# Altium PCB ECSE478 - DAQ Device.PcbDoc (part 1 of 4)
Units mil, origin at the board's own origin, x right, y up, seen from the top; angles counter-clockwise.
Board outline 8325 x 4500 mil, 4 copper layers (L1 (Sig), L2 (GND), L3 (GND), L4 (Sig)), stack 23.756 mil thick; 560 components, 359 nets, 1613 pads, 965 vias.
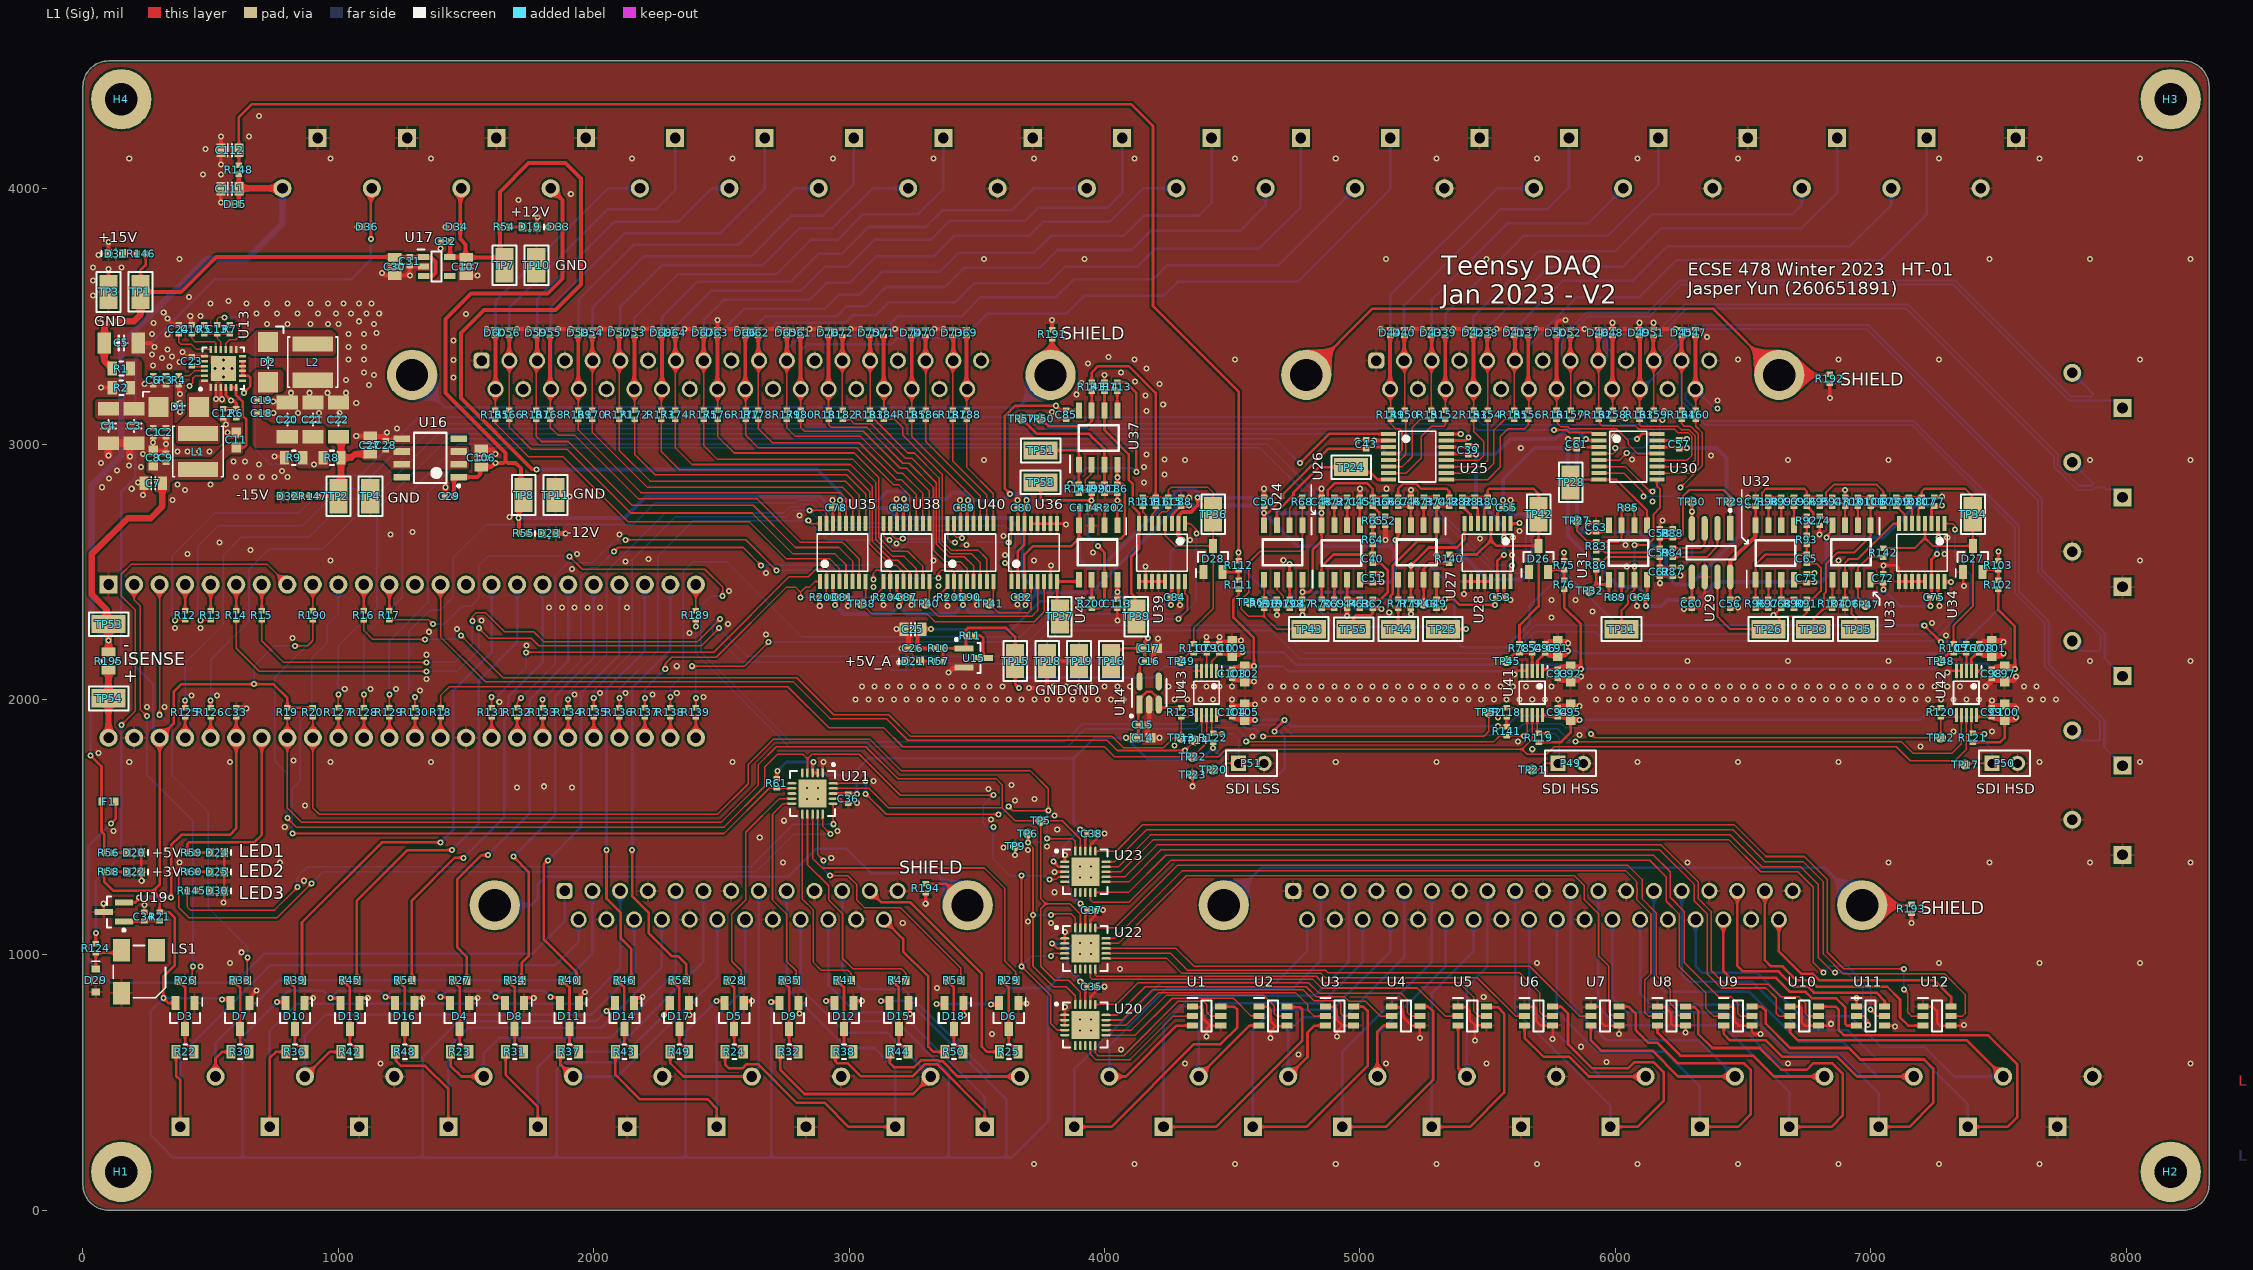
[diagram p0: L1 (Sig) view]
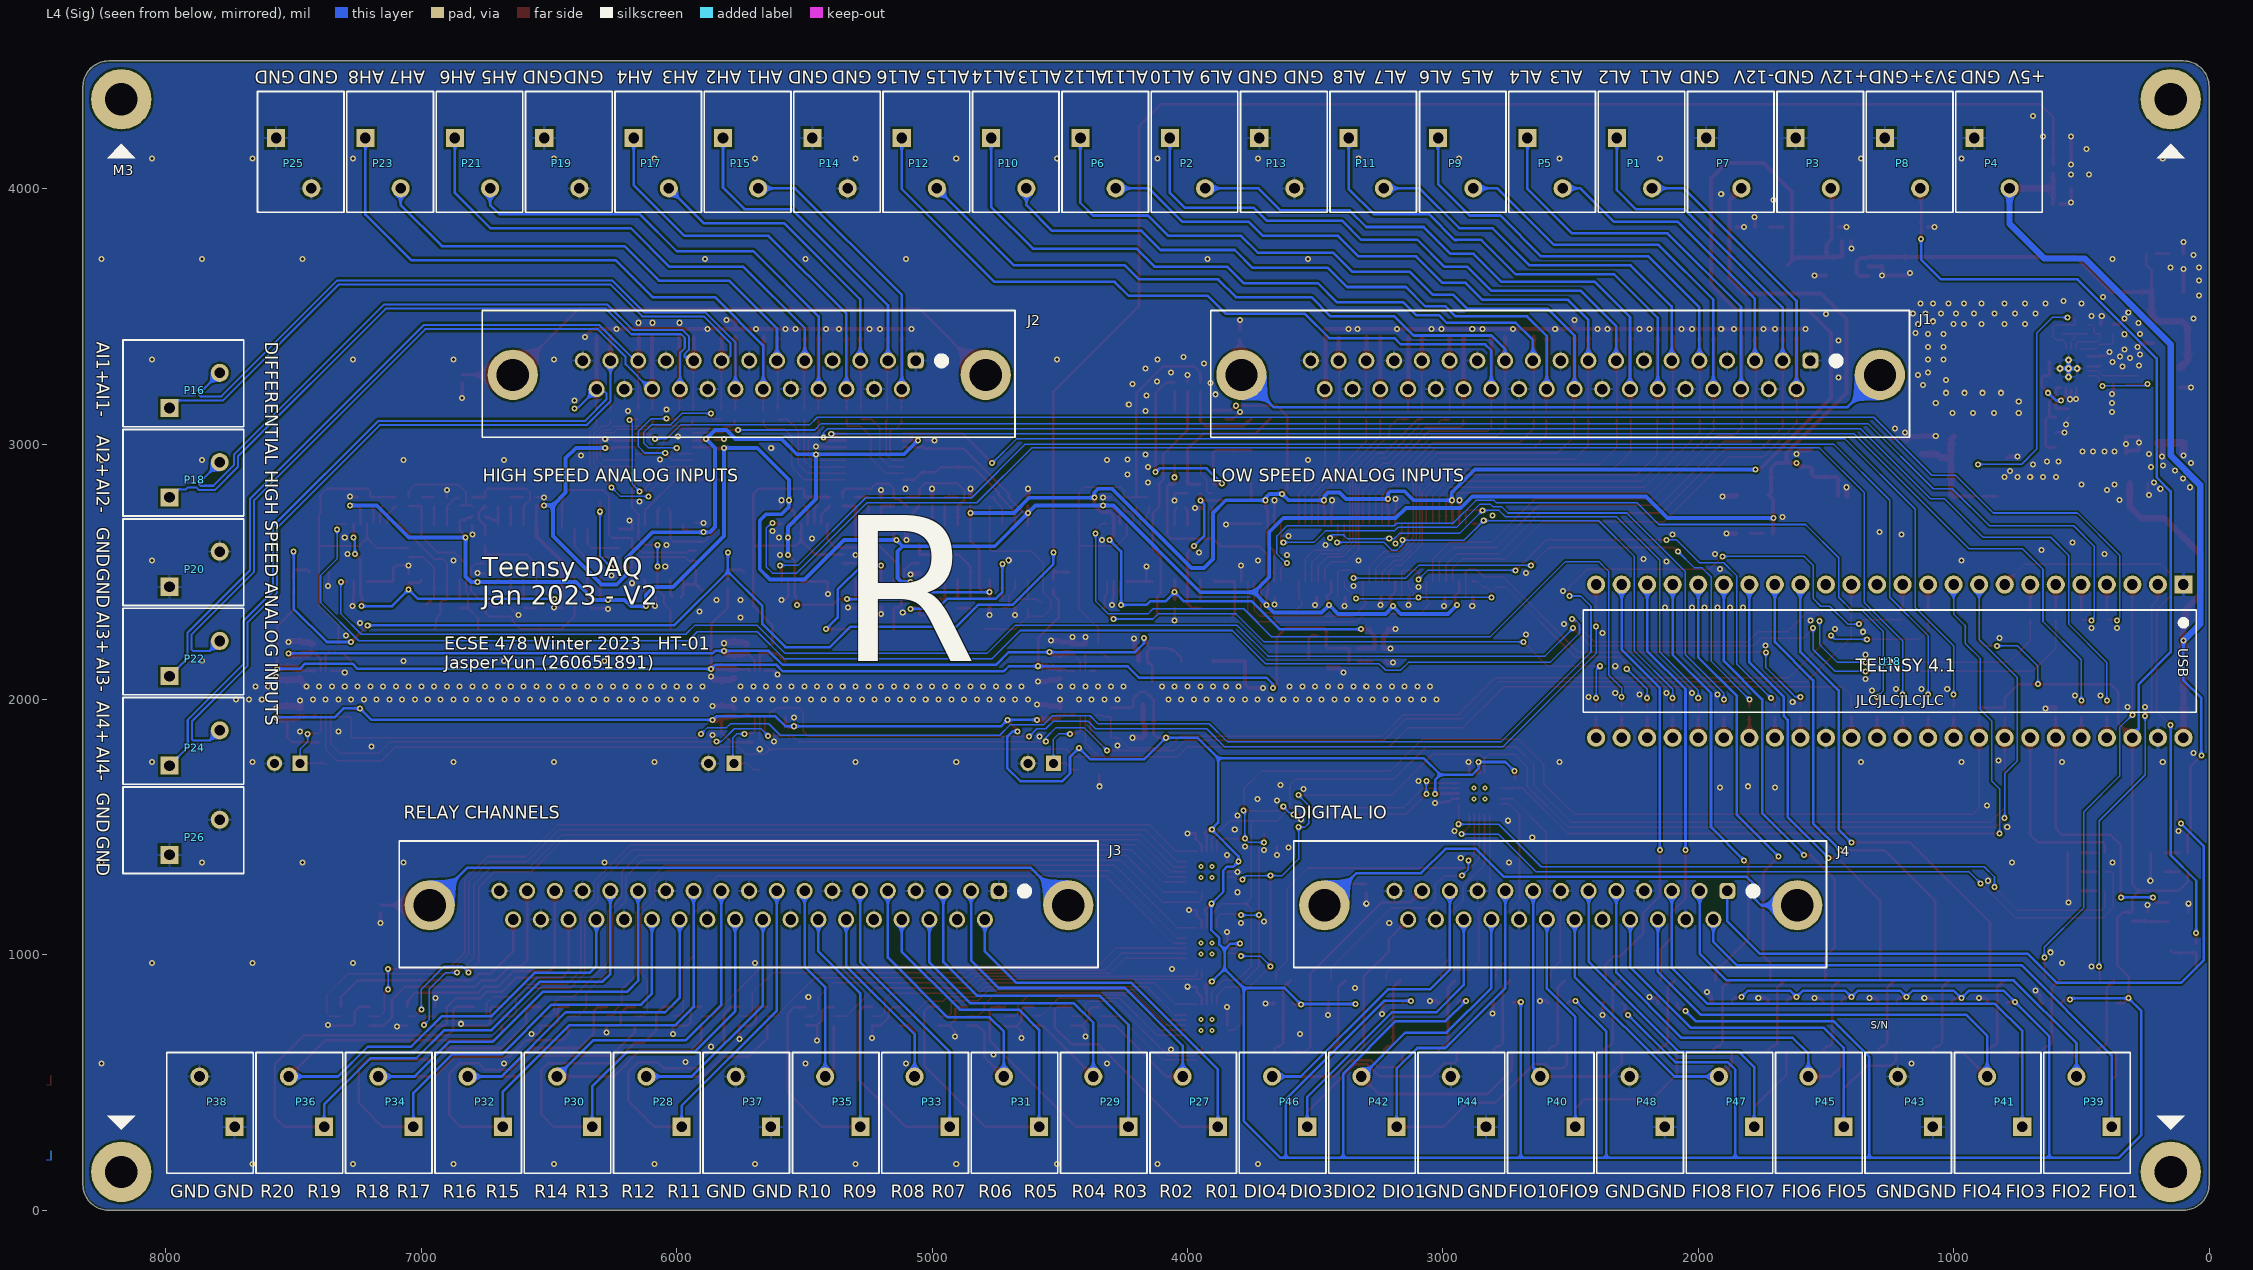
[diagram p1: L4 (Sig) view, seen from below]
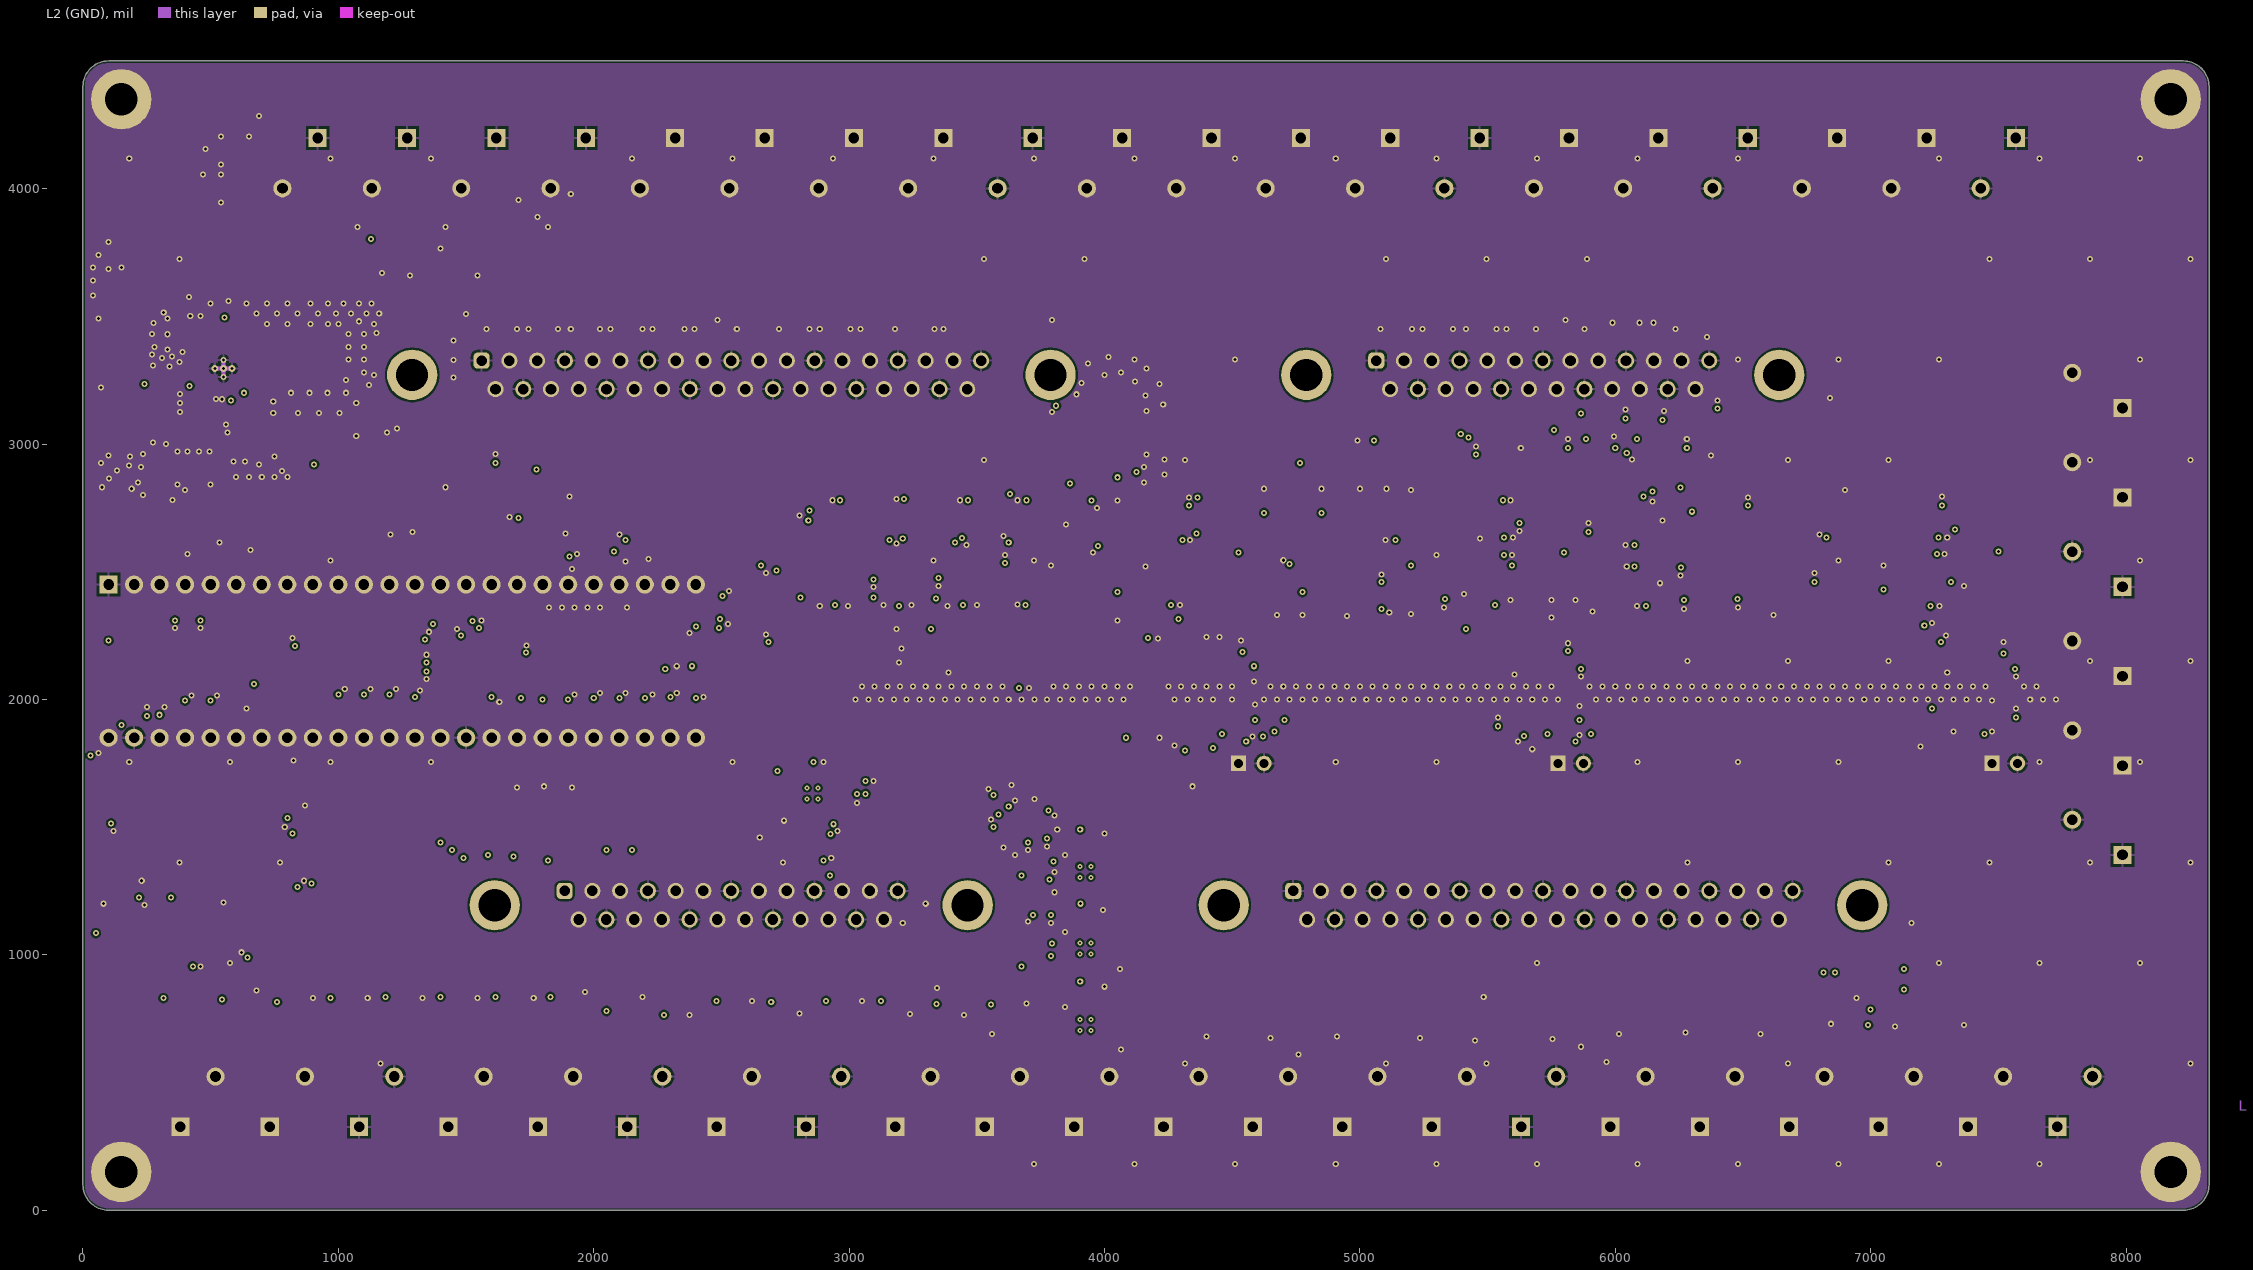
[diagram p2: L2 (GND)]
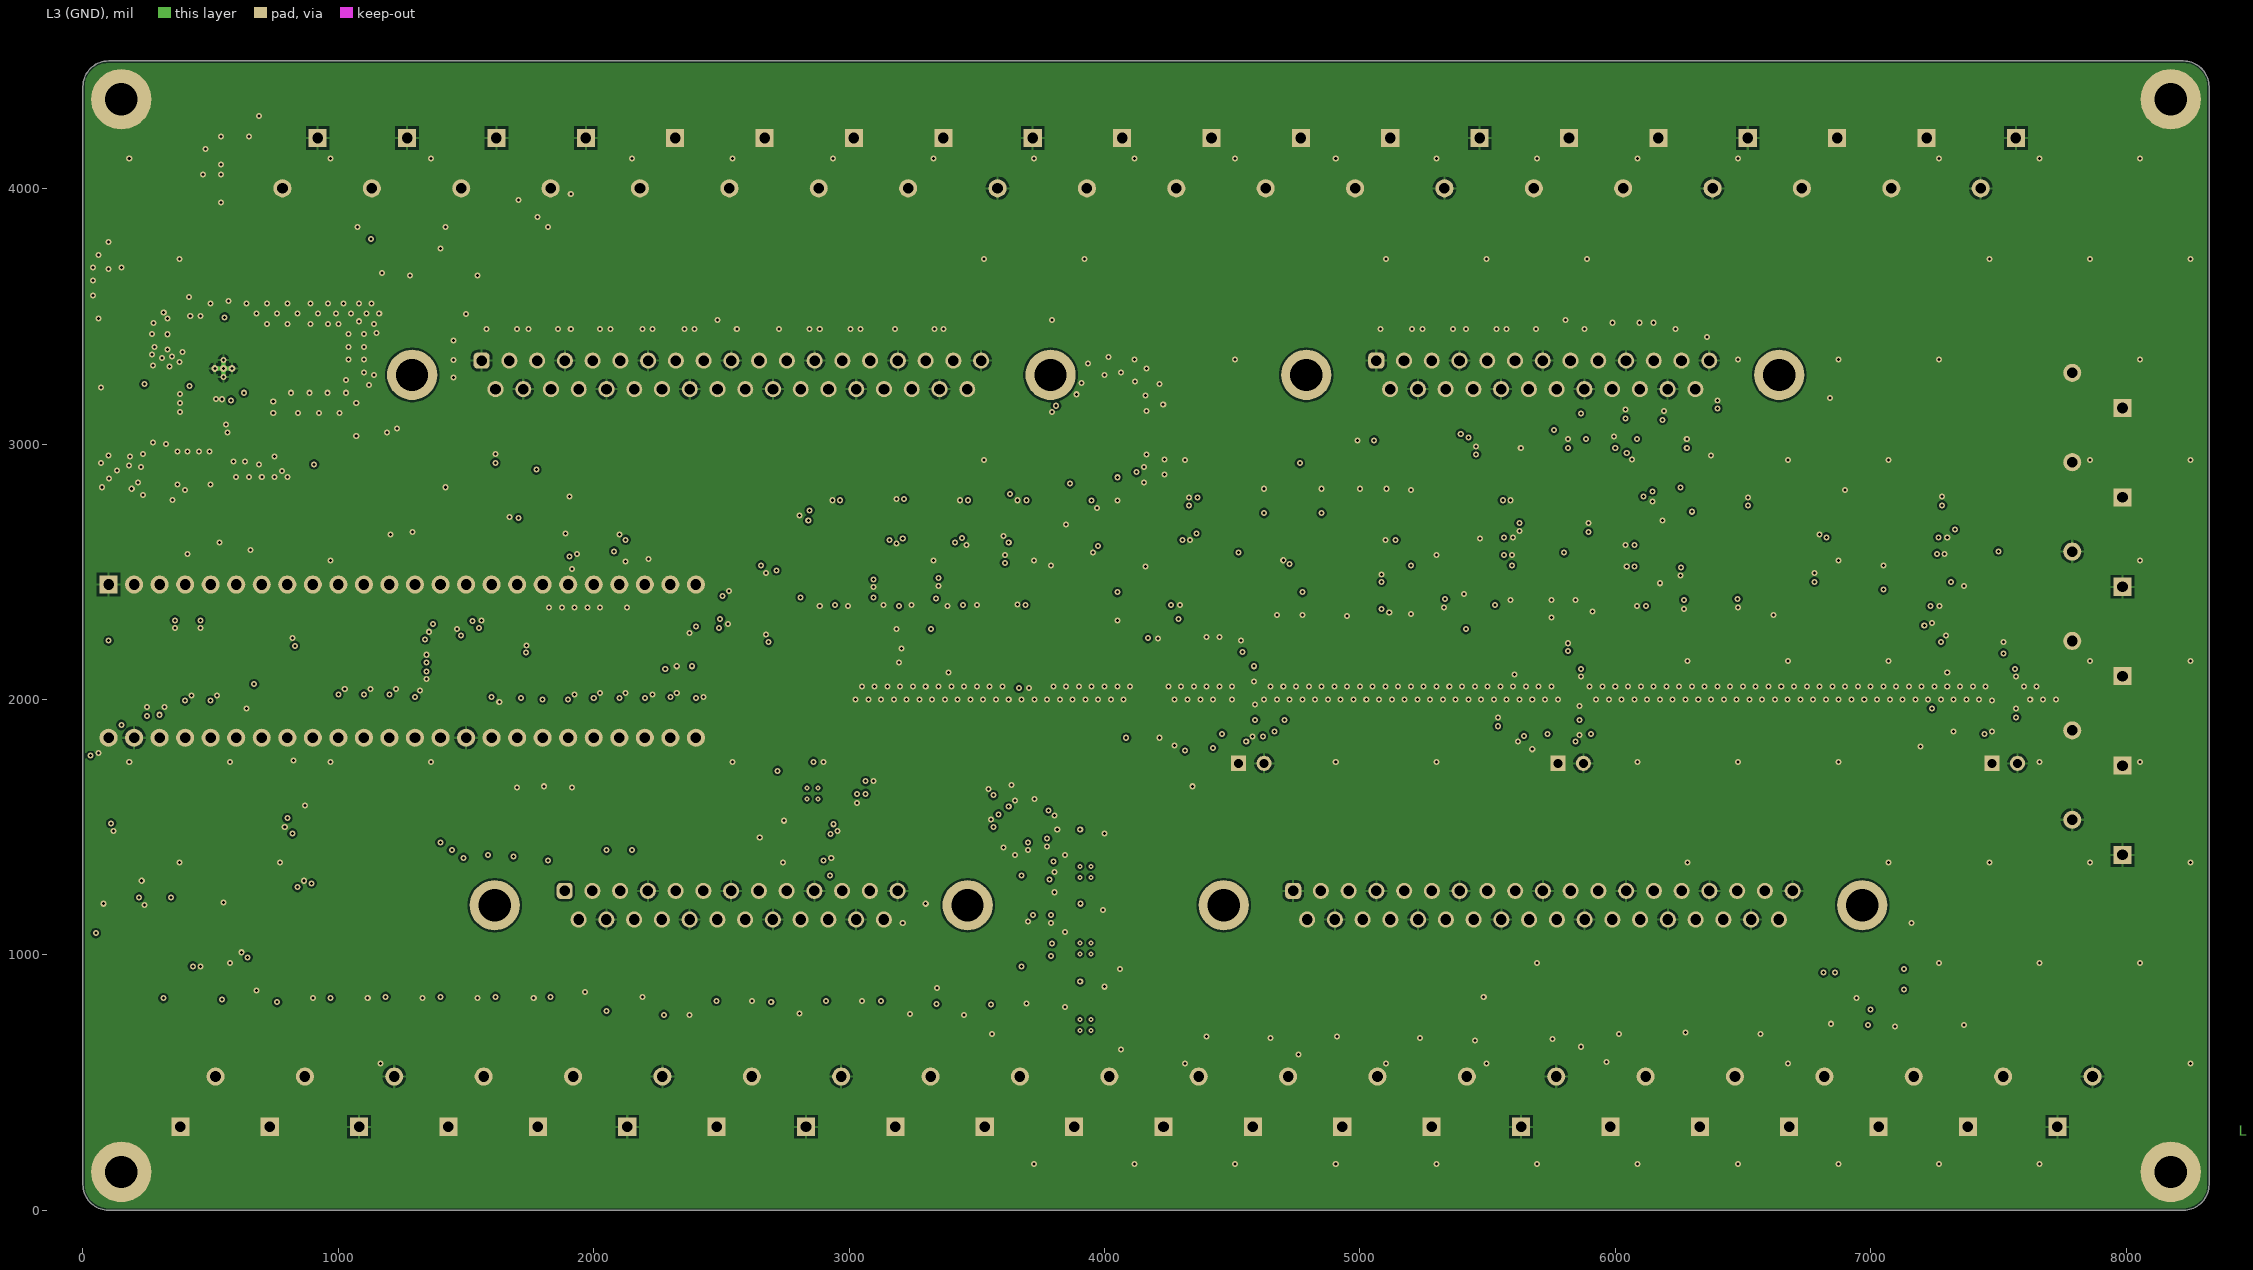
[diagram p3: L3 (GND)]
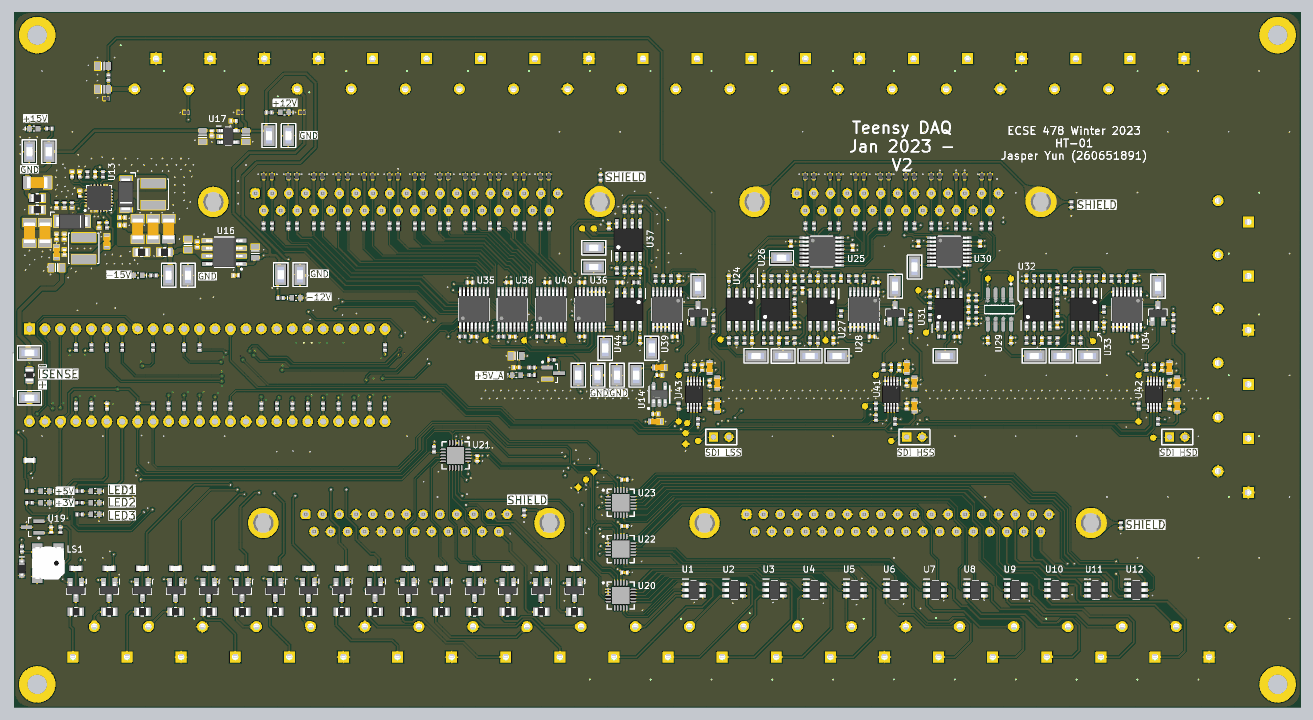
[diagram p7: 3D render of the assembled board from above, using the file's embedded part models]
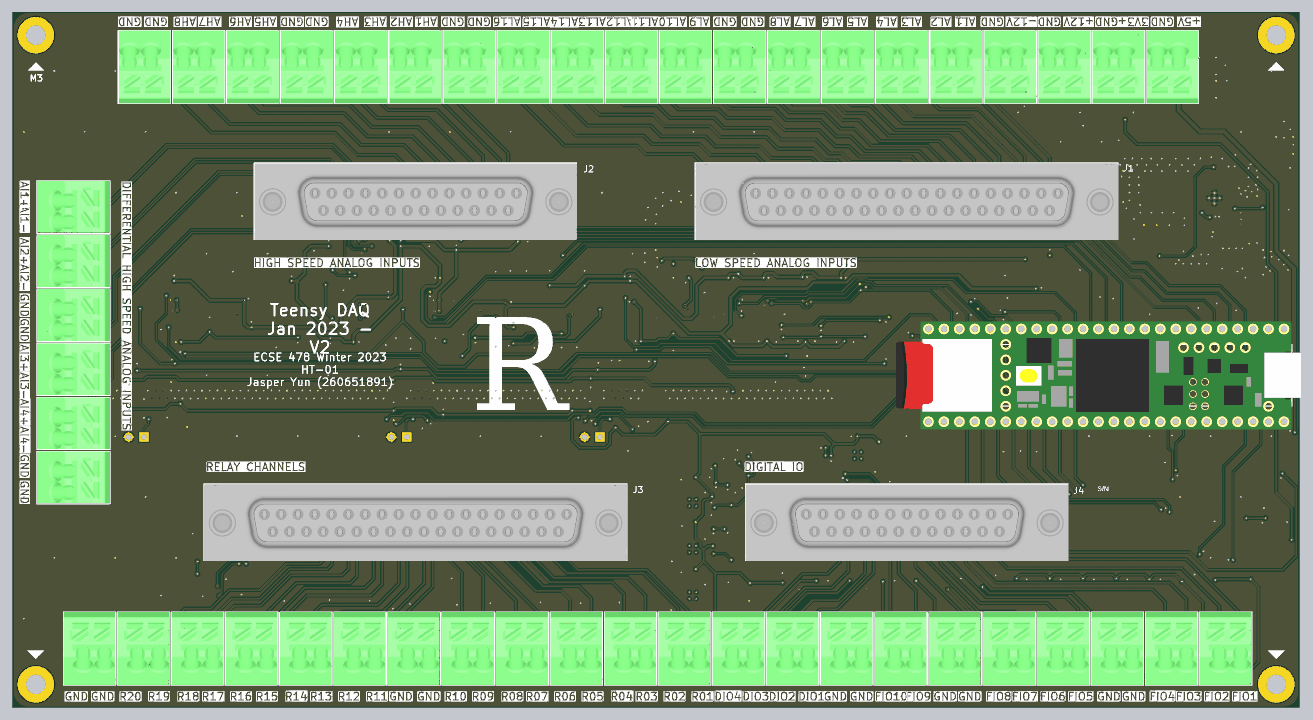
[diagram p8: 3D render of the assembled board from below, using the file's embedded part models]

## Layer stack, top to bottom
Top Solder: solder mask 0.4, Solder Resist, Dk 3.5
L1 (Sig): signal copper 1.4
Dielectric 2: prepreg 2.8, PP-006, Dk 4.1
L2 (GND): signal copper 1.378
Dielectric 1: dielectric 12.6, FR-4, Dk 4.8
L3 (GND): signal copper 1.378
Dielectric 3: prepreg 2.8, PP-006, Dk 4.1
L4 (Sig): signal copper 1.4
Bottom Solder: solder mask 0.4, Solder Resist, Dk 3.5

## Board outline
0,100 0,4400 cw(c100,4400) 100,4500 8225,4500 cw(c8225,4400) 8325,4400 8325,100 cw(c8225,100) 8225,0 100,0 cw(c100,100)

## Design rules (kind name [scope] priority, off if disabled: settings)
BoardOutlineClearance [All] p1: gap=7.87 ignorepadtopadclearanceinfootprint=FALSE except(15.75: Arc-SplitBarrior Arc-SplitContinuation Track-SplitBarrior Track-SplitContinuation SMDPad-SplitBarrior SMDPad-SplitContinuation THPad-SplitBarrior THPad-SplitContinuation Via-SplitBarrior Via-SplitContinuation Fill-SplitBarrior Fill-SplitContinuation Poly-SplitBarrior Poly-SplitContinuation Region-SplitBarrior Region-SplitContinuation Text-SplitBarrior Text-SplitContinuation)
Clearance [All] p1: gap=7.87 ignorepadtopadclearanceinfootprint=FALSE except(5: Arc-Arc Arc-Track Arc-SMDPad Arc-Via Track-Track Track-SMDPad Track-Via SMDPad-SMDPad SMDPad-Via THPad-Via Via-Via; 10: Arc-Text Track-Text SMDPad-Text THPad-Text Via-Text Fill-Text Poly-Text Region-Text Text-Text)
ComponentClearance [All] p1: gap=10 collisioncheckmode=3 verticalgap=10 showdistances=FALSE donotcheckwithout3dbody=TRUE
DiffPairsRouting "AIN HS DE" [InDifferentialPairClass('AIN_HS_DE')] p1: maxlimit=8 minlimit=6 mostfreqgap=8 toplayer_minwidth=6 toplayer_maxwidth=15 toplayer_prefwidth=8 midlayer1_minwidth=6 midlayer1_maxwidth=15 midlayer1_prefwidth=8 midlayer2_minwidth=6 midlayer2_maxwidth=15 midlayer2_prefwidth=8 bottomlayer_minwidth=6 bottomlayer_maxwidth=15 bottomlayer_prefwidth=8 maxuncoupledlength=2000
DiffPairsRouting [All] p2: maxlimit=10 minlimit=10 mostfreqgap=10 toplayer_minwidth=15 toplayer_maxwidth=15 toplayer_prefwidth=15 midlayer1_minwidth=15 midlayer1_maxwidth=15 midlayer1_prefwidth=15 midlayer2_minwidth=15 midlayer2_maxwidth=15 midlayer2_prefwidth=15 bottomlayer_minwidth=15 bottomlayer_maxwidth=15 bottomlayer_prefwidth=15 maxuncoupledlength=500
HoleSize [All] p1: absolutevalues=TRUE maxlimit=248.03 minlimit=7.87 maxpercent=80.000 minpercent=20.000
MinimumAnnularRing [All] p1: minimumring=5.91
MinimumSolderMaskSliver [All] p1: minsoldermaskwidth=3.94
PolygonConnect "Power Polys" [InComponentClass('Power')] p1: thpad.connectstyle=Direct thpad.reliefconductorwidth=10 thpad.reliefentries=4 thpad.polygonreliefangle="90 Angle" thpad.airgapwidth=10 smdpad.connectstyle=Direct smdpad.reliefconductorwidth=10 smdpad.reliefentries=4 smdpad.polygonreliefangle="90 Angle" smdpad.airgapwidth=10 via.connectstyle=Relief via.reliefconductorwidth=10 via.reliefentries=4 via.polygonreliefangle="90 Angle" via.airgapwidth=10
PolygonConnect [All] p2: thpad.connectstyle=Relief thpad.reliefconductorwidth=10 thpad.reliefentries=4 thpad.polygonreliefangle="90 Angle" thpad.airgapwidth=10 smdpad.connectstyle=Relief smdpad.reliefconductorwidth=10 smdpad.reliefentries=4 smdpad.polygonreliefangle="90 Angle" smdpad.airgapwidth=10 via.connectstyle=Direct via.reliefconductorwidth=10 via.reliefentries=4 via.polygonreliefangle="90 Angle" via.airgapwidth=10
RoutingCorners [All] p1: cornerstyle=Round minsetback=100 maxsetback=100
RoutingVias [All] p1: holewidth=19.68 width=39.37 viastyle="Through Hole" minholewidth=7.87 minwidth=17.72 maxholewidth=39.37 maxwidth=78.74
SilkToSilkClearance [All] p1: silktosilkclearance=3.94
SilkToSolderMaskClearance [IsPad] p1: minsilkscreentomaskgap=3.94 clearancetoexposedcopper=TRUE
SolderMaskExpansion [All] p1: expansion=4 istentingtop=FALSE
Width [All] p1: maxlimit=100 minlimit=5 preferedwidth=15 minimp=50.000000 maximp=50.000000 favimp=50.000000
23 further rules are at their usual default settings.

## Classes and differential pairs
differential pair class AIN_HS_DE: AIN_HS_DE_1 AIN_HS_DE_2 AIN_HS_DE_3 AIN_HS_DE_4
net class SPI: SPI_ADC_HS_DE_nCS SPI_ADC_LS_SE_nCS SPI_ADC_SCLK SPI_ADC_SDO
net class Relays: RELAY_COIL_PWR_IN_CH_1 RELAY_COIL_PWR_IN_CH_2 RELAY_COIL_PWR_IN_CH_3 RELAY_COIL_PWR_IN_CH_4 RELAY_COIL_PWR_IN_CH_5 RELAY_COIL_PWR_IN_CH_6 RELAY_COIL_PWR_IN_CH_7 RELAY_COIL_PWR_IN_CH_8 RELAY_COIL_PWR_IN_CH_9 RELAY_COIL_PWR_IN_CH_10 RELAY_COIL_PWR_IN_CH_11 RELAY_COIL_PWR_IN_CH_12 RELAY_COIL_PWR_IN_CH_13 RELAY_COIL_PWR_IN_CH_14 RELAY_COIL_PWR_IN_CH_15 RELAY_COIL_PWR_IN_CH_16 RELAY_COIL_PWR_IN_CH_17 RELAY_COIL_PWR_IN_CH_18 RELAY_COIL_PWR_IN_CH_19 RELAY_COIL_PWR_IN_CH_20 RELAY_COIL_PWR_IN_CH_21 RELAY_COIL_PWR_IN_CH_22 RELAY_COIL_PWR_IN_CH_23 RELAY_COIL_PWR_IN_CH_24
net class I2C: I2C_SCL I2C_SDA
net class "Digital IO": DIO_1 DIO_2 DIO_3 DIO_4 DIO_5 DIO_6 DIO_7 DIO_8 DIO_9 DIO_10 IO_EXPANSION_DIO1 IO_EXPANSION_DIO2 IO_EXPANSION_DIO3 IO_EXPANSION_DIO4 IO_EXPANSION_DIO5 IO_EXPANSION_DIO6
net class ANALOG: AIN_HS_DE_1_N AIN_HS_DE_1_P AIN_HS_DE_2_N AIN_HS_DE_2_P AIN_HS_DE_3_N AIN_HS_DE_3_P AIN_HS_DE_4_N AIN_HS_DE_4_P AIN_HS_SE_1 AIN_HS_SE_2 AIN_HS_SE_3 AIN_HS_SE_4 AIN_HS_SE_5 AIN_HS_SE_6 AIN_HS_SE_7 AIN_HS_SE_8 AIN_LS_SE_1 AIN_LS_SE_2 AIN_LS_SE_3 AIN_LS_SE_4 AIN_LS_SE_5 AIN_LS_SE_6 AIN_LS_SE_7 AIN_LS_SE_8 AIN_LS_SE_9 AIN_LS_SE_10 AIN_LS_SE_11 AIN_LS_SE_12 AIN_LS_SE_13 AIN_LS_SE_14 AIN_LS_SE_15 AIN_LS_SE_16 AIN_LS_SE_17 AIN_LS_SE_18 AIN_LS_SE_19 AIN_LS_SE_20 AIN_LS_SE_21 AIN_LS_SE_22 AIN_LS_SE_23 AIN_LS_SE_24
component class "Relay Drivers": U1 U2 U3 U4 U5 U6 U7 U8 U9 U10 U11 U12
component class Power: C1 C2 C3 C4 C5 C6 C7 C8 C9 C10 C11 C12 C13 C14 C15 C16 C17 C18 C19 C20 C21 C22 C23 C24 C25 C26 C27 C28 C29 C30 C31 C32 C106 C107 C111 C112 D1 D2 D33 D34 D35 D36 L1 L2 R1 R2 R3 R4 R5 R6 R7 R8 R9 R10 R11 R148 U13 U14 U15 U16 U17
component class Microcontroller: C33 C34 D29 LS1 R12 R13 R14 R15 R16 R17 R18 R19 R20 R21 R124 R125 R126 R127 R128 R129 R130 R131 R132 R133 R134 R135 R136 R137 R138 R139 R189 R195 TP53 TP54 U18 U19
component class "IO Expansion": C35 C36 C37 C38 R61 R190 U20 U21 U22 U23
component class "Digital IO Protection": D3 D4 D5 D6 D7 D8 D9 D10 D11 D12 D13 D14 D15 D16 D17 D18 R22 R23 R24 R25 R26 R27 R28 R29 R30 R31 R32 R33 R34 R35 R36 R37 R38 R39 R40 R41 R42 R43 R44 R45 R46 R47 R48 R49 R50 R51 R52 R53
component class Debug: D19 D20 D21 D22 D23 D24 D25 D30 D31 D32 R54 R55 R56 R57 R58 R59 R60 R145 R146 R147 TP1 TP2 TP3 TP4 TP5 TP6 TP7 TP8 TP9 TP10 TP11 TP12 TP13 TP14 TP15 TP16 TP17 TP18 TP19 TP20 TP21 TP22 TP23 TP52
component class "Connectors - Digital": F1 J3 J4 P27 P28 P29 P30 P31 P32 P33 P34 P35 P36 P37 P38 P39 P40 P41 P42 P43 P44 P45 P46 P47 P48 R193 R194
component class "Connectors - Analog": H1 H2 H3 H4 J1 J2 P1 P2 P3 P4 P5 P6 P7 P8 P9 P10 P11 P12 P13 P14 P15 P16 P17 P18 P19 P20 P21 P22 P23 P24 P25 P26 R191 R192
component class "Analog - Low Speed SE": C78 C79 C80 C81 C82 C83 C84 C85 C86 C87 C88 C89 C90 C113 C114 D28 D53 D54 D55 D56 D57 D58 D59 D60 D61 D62 D63 D64 D65 D66 D67 D68 D69 D70 D71 D72 D73 D74 D75 D76 R110 R111 R112 R113 R114 R115 R116 R117 R143 R144 R165 R166 R167 R168 R169 R170 R171 R172 R173 R174 R175 R176 R177 R178 R179 R180 R181 R182 R183 R184 R185 R186 R187 R188 R199 R200 R201 R202 R203 R204 R205 TP36 TP37 TP38 TP39 TP40 TP41 TP49 TP50 TP51 TP57 TP58 U35 U36 U37 U38 U39 U40 U44
component class "Analog - High Speed SE": C39 C40 C41 C42 C43 C44 C45 C46 C47 C48 C49 C50 C51 C52 C53 C54 C55 D26 D37 D38 D39 D40 D41 D42 D43 D44 R62 R63 R64 R65 R66 R67 R68 R69 R70 R71 R72 R73 R74 R75 R76 R77 R78 R79 R80 R81 R82 R140 R149 R150 R151 R152 R153 R154 R155 R156 R196 R197 R198 TP24 TP25 TP42 TP43 TP44 TP45 TP46 TP55 TP56 U24 U25 U26 U27 U28
component class "Analog - High Speed DE": C56 C57 C58 C59 C60 C61 C62 C63 C64 C65 C66 C67 C68 C69 C70 C71 C72 C73 C74 C75 C76 C77 D27 D45 D46 D47 D48 D49 D50 D51 D52 R83 R84 R85 R86 R87 R88 R89 R90 R91 R92 R93 R94 R95 R96 R97 R98 R99 R100 R101 R102 R103 R104 R105 R106 R107 R108 R109 R142 R157 R158 R159 R160 R161 R162 R163 R164 TP26 TP27 TP28 TP29 TP30 TP31 TP32 TP33 TP34 TP35 TP47 TP48 U29 U30 U31 U32 U33 U34
component class ADC: C91 C92 C93 C94 C95 C96 C97 C98 C99 C100 C101 C102 C103 C104 C105 C108 C109 C110 P49 P50 P51 R118 R119 R120 R121 R122 R123 R141 U41 U42 U43
differential pair AIN_HS_DE_4: +AIN_HS_DE_4_P -AIN_HS_DE_4_N
differential pair AIN_HS_DE_3: +AIN_HS_DE_3_P -AIN_HS_DE_3_N
differential pair AIN_HS_DE_2: +AIN_HS_DE_2_P -AIN_HS_DE_2_N
differential pair AIN_HS_DE_1: +AIN_HS_DE_1_P -AIN_HS_DE_1_N
